# EAGLE board working (EAGLE 9.6.2), part 1 of 28 (continued)
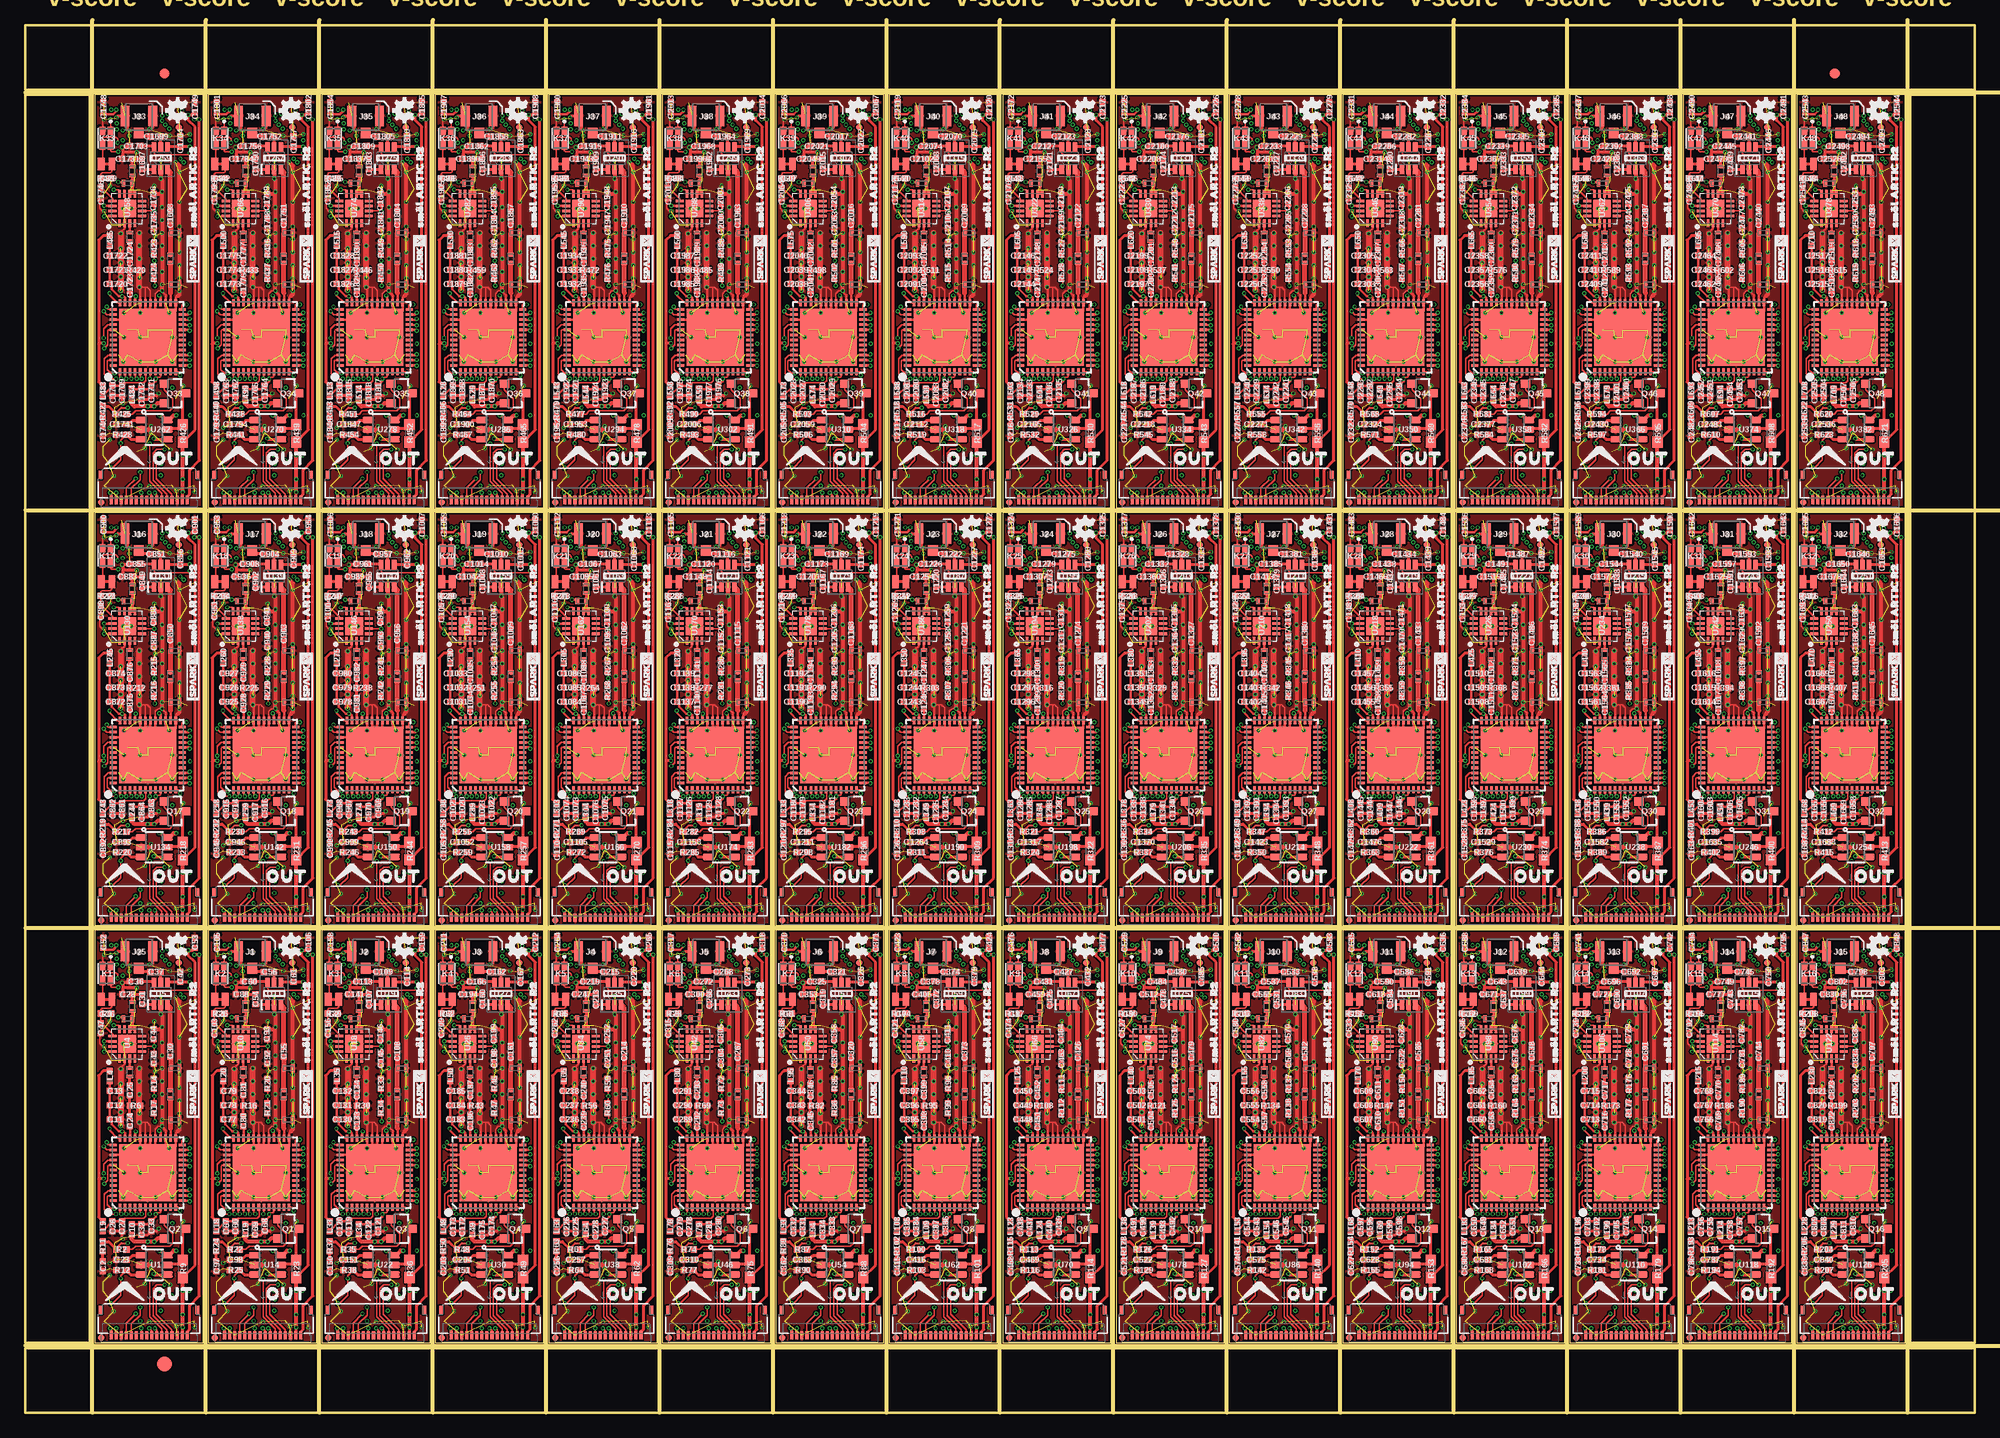
[diagram p0: board, top side]
## Placement (x,y rotation side) (continued)
C107  100pF  [0402-TIGHT]  33.85,40.7 90 top
C108  100pF  [0402-TIGHT]  36.64,35.56 270 top
C109  100pF  [0402-TIGHT]  35.18,43.43 0 top
C110  1.0uF  [0402-TIGHT]  30.61,16.7 180 bottom
C111  1.0uF  [0402-TIGHT]  30.54,12.89 0 bottom
C112  2.2uF  [0402-TIGHT]  30.61,9.02 0 bottom
C113  100pF  [0402-TIGHT]  33.15,42.48 180 top
C114  100pF  [0402-TIGHT]  37.59,42.93 90 top
C115  22pF  [0402-TIGHT]  38.29,28 90 bottom
C116  0.1uF  [0402-TIGHT]  36.58,28.38 90 bottom
C117  22pF  [0402-TIGHT]  35.94,24.83 270 bottom
C118  0.1uF  [0402-TIGHT]  36.89,24.83 270 bottom
C119  22pF  [0402-TIGHT]  31.88,18.35 270 top
C120  0.1uF  [0402-TIGHT]  30.92,18.35 270 top
C121  22pF  [0402-TIGHT]  34.73,18.35 270 top
C122  0.1uF  [0402-TIGHT]  33.78,18.03 270 top
C123  22pF  [0402-TIGHT]  32.77,26.86 180 bottom
C124  0.1uF  [0402-TIGHT]  30.67,27.3 0 bottom
C125  22pF  [0402-TIGHT]  31.5,22.42 270 bottom
C126  0.1uF  [0402-TIGHT]  32.45,22.42 270 bottom
C127  1.0uF  [0402-TIGHT]  34.42,24.83 270 bottom
C128  47nF  [0402-TIGHT]  33.46,24.83 270 bottom
C129  1.0nF  [0402-TIGHT]  30.04,24.98 90 bottom
C130  100pF  [0402-TIGHT]  31.18,28.89 0 top
C131  1.0uF  [0402-TIGHT]  31.18,30.29 0 top
C132  10uF  [0402-TIGHT]  31.18,31.69 0 top
C133  100pF  [0402-TIGHT]  32.64,28.7 90 top
C134  100pF  [0402-TIGHT]  32.64,31.75 90 top
C135  100pF  [0402-TIGHT]  30.61,40 180 bottom
C136  100pF  [0402-TIGHT]  30.92,35.18 90 bottom
C137  2.2uF  [0402-TIGHT]  31.88,35.18 90 bottom
C138  22pF  [0402-TIGHT]  32.7,37.59 90 bottom
C139  2.2uF  [0402-TIGHT]  33.66,37.59 90 bottom
C140  2.4 pF  [0402_MURATA]  36.64,31.37 90 top
C141  9.1pF  [0402-TIGHT]  32.38,41.21 0 top
C142  100pF  [0402-TIGHT]  32.64,39.05 180 bottom
C143  2.2uF  [0402-TIGHT]  32.64,40 180 bottom
C144  10uF  [0402-TIGHT]  32.64,40.96 180 bottom
C145  100pF  [0402-TIGHT]  34.99,34.86 90 top
C146  2.2uF  [0402-TIGHT]  34.99,37.27 90 top
C147  22pF  [0402-TIGHT]  37.34,22.42 270 bottom
C148  0.1uF  [0402-TIGHT]  36.39,22.42 270 bottom
C149  2.2uF  [0402-TIGHT]  38.48,9.02 180 bottom
C150  10nF  [0402-TIGHT]  29.97,14.41 270 top
C151  1.0uF  [0402-TIGHT]  31.81,15.05 180 top
C152  2.2uF  [0402-TIGHT]  30.54,11.94 0 bottom
C153  0.1uF  [0402-TIGHT]  32.26,14.61 90 bottom
C154  1.0uF  [0402-TIGHT]  39.24,40.2 90 bottom
C155  0.1uF  [0402-TIGHT]  37.59,17.59 0 bottom
C156  100pF  [0402-TIGHT]  29.78,37.85 90 top
C157  0.1uF  [0402-TIGHT]  32.83,12.38 180 bottom
C158  2.2uF  [0402-TIGHT]  30.04,46.29 90 top
C159  2.2uF  [0402-TIGHT]  39.05,46.29 90 top
C160  100pF  [0402-TIGHT]  45.02,40.7 90 top
C161  100pF  [0402-TIGHT]  47.82,35.56 270 top
C162  100pF  [0402-TIGHT]  46.35,43.43 0 top
C163  1.0uF  [0402-TIGHT]  41.78,16.7 180 bottom
C164  1.0uF  [0402-TIGHT]  41.72,12.89 0 bottom
C165  2.2uF  [0402-TIGHT]  41.78,9.02 0 bottom
C166  100pF  [0402-TIGHT]  44.32,42.48 180 top
C167  100pF  [0402-TIGHT]  48.77,42.93 90 top
C168  22pF  [0402-TIGHT]  49.47,28 90 bottom
C169  0.1uF  [0402-TIGHT]  47.75,28.38 90 bottom
C170  22pF  [0402-TIGHT]  47.12,24.83 270 bottom
C171  0.1uF  [0402-TIGHT]  48.07,24.83 270 bottom
C172  22pF  [0402-TIGHT]  43.05,18.35 270 top
C173  0.1uF  [0402-TIGHT]  42.1,18.35 270 top
C174  22pF  [0402-TIGHT]  45.91,18.35 270 top
C175  0.1uF  [0402-TIGHT]  44.96,18.03 270 top
C176  22pF  [0402-TIGHT]  43.94,26.86 180 bottom
C177  0.1uF  [0402-TIGHT]  41.85,27.3 0 bottom
C178  22pF  [0402-TIGHT]  42.67,22.42 270 bottom
C179  0.1uF  [0402-TIGHT]  43.62,22.42 270 bottom
C180  1.0uF  [0402-TIGHT]  45.59,24.83 270 bottom
C181  47nF  [0402-TIGHT]  44.64,24.83 270 bottom
C182  1.0nF  [0402-TIGHT]  41.21,24.98 90 bottom
C183  100pF  [0402-TIGHT]  42.35,28.89 0 top
C184  1.0uF  [0402-TIGHT]  42.35,30.29 0 top
C185  10uF  [0402-TIGHT]  42.35,31.69 0 top
C186  100pF  [0402-TIGHT]  43.81,28.7 90 top
C187  100pF  [0402-TIGHT]  43.81,31.75 90 top
C188  100pF  [0402-TIGHT]  41.78,40 180 bottom
C189  100pF  [0402-TIGHT]  42.1,35.18 90 bottom
C190  2.2uF  [0402-TIGHT]  43.05,35.18 90 bottom
C191  22pF  [0402-TIGHT]  43.88,37.59 90 bottom
C192  2.2uF  [0402-TIGHT]  44.83,37.59 90 bottom
C193  2.4 pF  [0402_MURATA]  47.82,31.37 90 top
C194  9.1pF  [0402-TIGHT]  43.56,41.21 0 top
C195  100pF  [0402-TIGHT]  43.81,39.05 180 bottom
C196  2.2uF  [0402-TIGHT]  43.81,40 180 bottom
C197  10uF  [0402-TIGHT]  43.81,40.96 180 bottom
C198  100pF  [0402-TIGHT]  46.16,34.86 90 top
C199  2.2uF  [0402-TIGHT]  46.16,37.27 90 top
C200  22pF  [0402-TIGHT]  48.51,22.42 270 bottom
C201  0.1uF  [0402-TIGHT]  47.56,22.42 270 bottom
C202  2.2uF  [0402-TIGHT]  49.66,9.02 180 bottom
C203  10nF  [0402-TIGHT]  41.15,14.41 270 top
C204  1.0uF  [0402-TIGHT]  42.99,15.05 180 top
C205  2.2uF  [0402-TIGHT]  41.72,11.94 0 bottom
C206  0.1uF  [0402-TIGHT]  43.43,14.61 90 bottom
C207  1.0uF  [0402-TIGHT]  50.42,40.2 90 bottom
C208  0.1uF  [0402-TIGHT]  48.77,17.59 0 bottom
C209  100pF  [0402-TIGHT]  40.96,37.85 90 top
C210  0.1uF  [0402-TIGHT]  44.01,12.38 180 bottom
C211  2.2uF  [0402-TIGHT]  41.21,46.29 90 top
C212  2.2uF  [0402-TIGHT]  50.23,46.29 90 top
C213  100pF  [0402-TIGHT]  56.2,40.7 90 top
C214  100pF  [0402-TIGHT]  58.99,35.56 270 top
C215  100pF  [0402-TIGHT]  57.53,43.43 0 top
C216  1.0uF  [0402-TIGHT]  52.96,16.7 180 bottom
C217  1.0uF  [0402-TIGHT]  52.9,12.89 0 bottom
C218  2.2uF  [0402-TIGHT]  52.96,9.02 0 bottom
C219  100pF  [0402-TIGHT]  55.5,42.48 180 top
C220  100pF  [0402-TIGHT]  59.94,42.93 90 top
C221  22pF  [0402-TIGHT]  60.64,28 90 bottom
C222  0.1uF  [0402-TIGHT]  58.93,28.38 90 bottom
C223  22pF  [0402-TIGHT]  58.29,24.83 270 bottom
C224  0.1uF  [0402-TIGHT]  59.25,24.83 270 bottom
C225  22pF  [0402-TIGHT]  54.23,18.35 270 top
C226  0.1uF  [0402-TIGHT]  53.28,18.35 270 top
C227  22pF  [0402-TIGHT]  57.09,18.35 270 top
C228  0.1uF  [0402-TIGHT]  56.13,18.03 270 top
C229  22pF  [0402-TIGHT]  55.12,26.86 180 bottom
C230  0.1uF  [0402-TIGHT]  53.02,27.3 0 bottom
C231  22pF  [0402-TIGHT]  53.85,22.42 270 bottom
C232  0.1uF  [0402-TIGHT]  54.8,22.42 270 bottom
C233  1.0uF  [0402-TIGHT]  56.77,24.83 270 bottom
C234  47nF  [0402-TIGHT]  55.82,24.83 270 bottom
C235  1.0nF  [0402-TIGHT]  52.39,24.98 90 bottom
C236  100pF  [0402-TIGHT]  53.53,28.89 0 top
C237  1.0uF  [0402-TIGHT]  53.53,30.29 0 top
C238  10uF  [0402-TIGHT]  53.53,31.69 0 top
C239  100pF  [0402-TIGHT]  54.99,28.7 90 top
C240  100pF  [0402-TIGHT]  54.99,31.75 90 top
C241  100pF  [0402-TIGHT]  52.96,40 180 bottom
C242  100pF  [0402-TIGHT]  53.28,35.18 90 bottom
C243  2.2uF  [0402-TIGHT]  54.23,35.18 90 bottom
C244  22pF  [0402-TIGHT]  55.05,37.59 90 bottom
C245  2.2uF  [0402-TIGHT]  56.01,37.59 90 bottom
C246  2.4 pF  [0402_MURATA]  58.99,31.37 90 top
C247  9.1pF  [0402-TIGHT]  54.74,41.21 0 top
C248  100pF  [0402-TIGHT]  54.99,39.05 180 bottom
C249  2.2uF  [0402-TIGHT]  54.99,40 180 bottom
C250  10uF  [0402-TIGHT]  54.99,40.96 180 bottom
C251  100pF  [0402-TIGHT]  57.34,34.86 90 top
C252  2.2uF  [0402-TIGHT]  57.34,37.27 90 top
C253  22pF  [0402-TIGHT]  59.69,22.42 270 bottom
C254  0.1uF  [0402-TIGHT]  58.74,22.42 270 bottom
C255  2.2uF  [0402-TIGHT]  60.83,9.02 180 bottom
C256  10nF  [0402-TIGHT]  52.32,14.41 270 top
C257  1.0uF  [0402-TIGHT]  54.17,15.05 180 top
C258  2.2uF  [0402-TIGHT]  52.9,11.94 0 bottom
C259  0.1uF  [0402-TIGHT]  54.61,14.61 90 bottom
C260  1.0uF  [0402-TIGHT]  61.59,40.2 90 bottom
C261  0.1uF  [0402-TIGHT]  59.94,17.59 0 bottom
C262  100pF  [0402-TIGHT]  52.13,37.85 90 top
C263  0.1uF  [0402-TIGHT]  55.18,12.38 180 bottom
C264  2.2uF  [0402-TIGHT]  52.39,46.29 90 top
C265  2.2uF  [0402-TIGHT]  61.4,46.29 90 top
C266  100pF  [0402-TIGHT]  67.37,40.7 90 top
C267  100pF  [0402-TIGHT]  70.17,35.56 270 top
C268  100pF  [0402-TIGHT]  68.71,43.43 0 top
C269  1.0uF  [0402-TIGHT]  64.14,16.7 180 bottom
C270  1.0uF  [0402-TIGHT]  64.07,12.89 0 bottom
C271  2.2uF  [0402-TIGHT]  64.14,9.02 0 bottom
C272  100pF  [0402-TIGHT]  66.67,42.48 180 top
C273  100pF  [0402-TIGHT]  71.12,42.93 90 top
C274  22pF  [0402-TIGHT]  71.82,28 90 bottom
C275  0.1uF  [0402-TIGHT]  70.1,28.38 90 bottom
C276  22pF  [0402-TIGHT]  69.47,24.83 270 bottom
C277  0.1uF  [0402-TIGHT]  70.42,24.83 270 bottom
C278  22pF  [0402-TIGHT]  65.41,18.35 270 top
C279  0.1uF  [0402-TIGHT]  64.45,18.35 270 top
C280  22pF  [0402-TIGHT]  68.26,18.35 270 top
C281  0.1uF  [0402-TIGHT]  67.31,18.03 270 top
C282  22pF  [0402-TIGHT]  66.29,26.86 180 bottom
C283  0.1uF  [0402-TIGHT]  64.2,27.3 0 bottom
C284  22pF  [0402-TIGHT]  65.02,22.42 270 bottom
C285  0.1uF  [0402-TIGHT]  65.98,22.42 270 bottom
C286  1.0uF  [0402-TIGHT]  67.95,24.83 270 bottom
C287  47nF  [0402-TIGHT]  66.99,24.83 270 bottom
C288  1.0nF  [0402-TIGHT]  63.56,24.98 90 bottom
C289  100pF  [0402-TIGHT]  64.71,28.89 0 top
C290  1.0uF  [0402-TIGHT]  64.71,30.29 0 top
C291  10uF  [0402-TIGHT]  64.71,31.69 0 top
C292  100pF  [0402-TIGHT]  66.17,28.7 90 top
C293  100pF  [0402-TIGHT]  66.17,31.75 90 top
C294  100pF  [0402-TIGHT]  64.14,40 180 bottom
C295  100pF  [0402-TIGHT]  64.45,35.18 90 bottom
C296  2.2uF  [0402-TIGHT]  65.41,35.18 90 bottom
C297  22pF  [0402-TIGHT]  66.23,37.59 90 bottom
C298  2.2uF  [0402-TIGHT]  67.18,37.59 90 bottom
C299  2.4 pF  [0402_MURATA]  70.17,31.37 90 top
C300  9.1pF  [0402-TIGHT]  65.91,41.21 0 top
C301  100pF  [0402-TIGHT]  66.17,39.05 180 bottom
C302  2.2uF  [0402-TIGHT]  66.17,40 180 bottom
C303  10uF  [0402-TIGHT]  66.17,40.96 180 bottom
C304  100pF  [0402-TIGHT]  68.52,34.86 90 top
C305  2.2uF  [0402-TIGHT]  68.52,37.27 90 top
C306  22pF  [0402-TIGHT]  70.87,22.42 270 bottom
C307  0.1uF  [0402-TIGHT]  69.91,22.42 270 bottom
C308  2.2uF  [0402-TIGHT]  72.01,9.02 180 bottom
C309  10nF  [0402-TIGHT]  63.5,14.41 270 top
C310  1.0uF  [0402-TIGHT]  65.34,15.05 180 top
C311  2.2uF  [0402-TIGHT]  64.07,11.94 0 bottom
C312  0.1uF  [0402-TIGHT]  65.79,14.61 90 bottom
C313  1.0uF  [0402-TIGHT]  72.77,40.2 90 bottom
C314  0.1uF  [0402-TIGHT]  71.12,17.59 0 bottom
C315  100pF  [0402-TIGHT]  63.31,37.85 90 top
C316  0.1uF  [0402-TIGHT]  66.36,12.38 180 bottom
C317  2.2uF  [0402-TIGHT]  63.56,46.29 90 top
C318  2.2uF  [0402-TIGHT]  72.58,46.29 90 top
C319  100pF  [0402-TIGHT]  78.55,40.7 90 top
C320  100pF  [0402-TIGHT]  81.34,35.56 270 top
C321  100pF  [0402-TIGHT]  79.88,43.43 0 top
C322  1.0uF  [0402-TIGHT]  75.31,16.7 180 bottom
C323  1.0uF  [0402-TIGHT]  75.25,12.89 0 bottom
C324  2.2uF  [0402-TIGHT]  75.31,9.02 0 bottom
C325  100pF  [0402-TIGHT]  77.85,42.48 180 top
C326  100pF  [0402-TIGHT]  82.3,42.93 90 top
C327  22pF  [0402-TIGHT]  82.99,28 90 bottom
C328  0.1uF  [0402-TIGHT]  81.28,28.38 90 bottom
C329  22pF  [0402-TIGHT]  80.65,24.83 270 bottom
C330  0.1uF  [0402-TIGHT]  81.6,24.83 270 bottom
C331  22pF  [0402-TIGHT]  76.58,18.35 270 top
C332  0.1uF  [0402-TIGHT]  75.63,18.35 270 top
C333  22pF  [0402-TIGHT]  79.44,18.35 270 top
C334  0.1uF  [0402-TIGHT]  78.49,18.03 270 top
C335  22pF  [0402-TIGHT]  77.47,26.86 180 bottom
C336  0.1uF  [0402-TIGHT]  75.37,27.3 0 bottom
C337  22pF  [0402-TIGHT]  76.2,22.42 270 bottom
C338  0.1uF  [0402-TIGHT]  77.15,22.42 270 bottom
C339  1.0uF  [0402-TIGHT]  79.12,24.83 270 bottom
C340  47nF  [0402-TIGHT]  78.17,24.83 270 bottom
C341  1.0nF  [0402-TIGHT]  74.74,24.98 90 bottom
C342  100pF  [0402-TIGHT]  75.88,28.89 0 top
C343  1.0uF  [0402-TIGHT]  75.88,30.29 0 top
C344  10uF  [0402-TIGHT]  75.88,31.69 0 top
C345  100pF  [0402-TIGHT]  77.34,28.7 90 top
C346  100pF  [0402-TIGHT]  77.34,31.75 90 top
C347  100pF  [0402-TIGHT]  75.31,40 180 bottom
C348  100pF  [0402-TIGHT]  75.63,35.18 90 bottom
C349  2.2uF  [0402-TIGHT]  76.58,35.18 90 bottom
C350  22pF  [0402-TIGHT]  77.41,37.59 90 bottom
C351  2.2uF  [0402-TIGHT]  78.36,37.59 90 bottom
C352  2.4 pF  [0402_MURATA]  81.34,31.37 90 top
C353  9.1pF  [0402-TIGHT]  77.09,41.21 0 top
C354  100pF  [0402-TIGHT]  77.34,39.05 180 bottom
C355  2.2uF  [0402-TIGHT]  77.34,40 180 bottom
C356  10uF  [0402-TIGHT]  77.34,40.96 180 bottom
C357  100pF  [0402-TIGHT]  79.69,34.86 90 top
C358  2.2uF  [0402-TIGHT]  79.69,37.27 90 top
C359  22pF  [0402-TIGHT]  82.04,22.42 270 bottom
C360  0.1uF  [0402-TIGHT]  81.09,22.42 270 bottom
C361  2.2uF  [0402-TIGHT]  83.19,9.02 180 bottom
C362  10nF  [0402-TIGHT]  74.68,14.41 270 top
C363  1.0uF  [0402-TIGHT]  76.52,15.05 180 top
C364  2.2uF  [0402-TIGHT]  75.25,11.94 0 bottom
C365  0.1uF  [0402-TIGHT]  76.96,14.61 90 bottom
C366  1.0uF  [0402-TIGHT]  83.95,40.2 90 bottom
C367  0.1uF  [0402-TIGHT]  82.3,17.59 0 bottom
C368  100pF  [0402-TIGHT]  74.49,37.85 90 top
C369  0.1uF  [0402-TIGHT]  77.53,12.38 180 bottom
C370  2.2uF  [0402-TIGHT]  74.74,46.29 90 top
C371  2.2uF  [0402-TIGHT]  83.76,46.29 90 top
C372  100pF  [0402-TIGHT]  89.73,40.7 90 top
C373  100pF  [0402-TIGHT]  92.52,35.56 270 top
C374  100pF  [0402-TIGHT]  91.06,43.43 0 top
C375  1.0uF  [0402-TIGHT]  86.49,16.7 180 bottom
C376  1.0uF  [0402-TIGHT]  86.42,12.89 0 bottom
C377  2.2uF  [0402-TIGHT]  86.49,9.02 0 bottom
C378  100pF  [0402-TIGHT]  89.03,42.48 180 top
C379  100pF  [0402-TIGHT]  93.47,42.93 90 top
C380  22pF  [0402-TIGHT]  94.17,28 90 bottom
C381  0.1uF  [0402-TIGHT]  92.46,28.38 90 bottom
C382  22pF  [0402-TIGHT]  91.82,24.83 270 bottom
C383  0.1uF  [0402-TIGHT]  92.77,24.83 270 bottom
C384  22pF  [0402-TIGHT]  87.76,18.35 270 top
C385  0.1uF  [0402-TIGHT]  86.8,18.35 270 top
C386  22pF  [0402-TIGHT]  90.61,18.35 270 top
C387  0.1uF  [0402-TIGHT]  89.66,18.03 270 top
C388  22pF  [0402-TIGHT]  88.65,26.86 180 bottom
C389  0.1uF  [0402-TIGHT]  86.55,27.3 0 bottom
C390  22pF  [0402-TIGHT]  87.38,22.42 270 bottom
C391  0.1uF  [0402-TIGHT]  88.33,22.42 270 bottom
C392  1.0uF  [0402-TIGHT]  90.3,24.83 270 bottom
C393  47nF  [0402-TIGHT]  89.34,24.83 270 bottom
C394  1.0nF  [0402-TIGHT]  85.92,24.98 90 bottom
C395  100pF  [0402-TIGHT]  87.06,28.89 0 top
C396  1.0uF  [0402-TIGHT]  87.06,30.29 0 top
C397  10uF  [0402-TIGHT]  87.06,31.69 0 top
C398  100pF  [0402-TIGHT]  88.52,28.7 90 top
C399  100pF  [0402-TIGHT]  88.52,31.75 90 top
C400  100pF  [0402-TIGHT]  86.49,40 180 bottom
C401  100pF  [0402-TIGHT]  86.8,35.18 90 bottom
C402  2.2uF  [0402-TIGHT]  87.76,35.18 90 bottom
C403  22pF  [0402-TIGHT]  88.58,37.59 90 bottom
C404  2.2uF  [0402-TIGHT]  89.54,37.59 90 bottom
C405  2.4 pF  [0402_MURATA]  92.52,31.37 90 top
C406  9.1pF  [0402-TIGHT]  88.27,41.21 0 top
C407  100pF  [0402-TIGHT]  88.52,39.05 180 bottom
C408  2.2uF  [0402-TIGHT]  88.52,40 180 bottom
C409  10uF  [0402-TIGHT]  88.52,40.96 180 bottom
C410  100pF  [0402-TIGHT]  90.87,34.86 90 top
C411  2.2uF  [0402-TIGHT]  90.87,37.27 90 top
C412  22pF  [0402-TIGHT]  93.22,22.42 270 bottom
C413  0.1uF  [0402-TIGHT]  92.27,22.42 270 bottom
C414  2.2uF  [0402-TIGHT]  94.36,9.02 180 bottom
C415  10nF  [0402-TIGHT]  85.85,14.41 270 top
C416  1.0uF  [0402-TIGHT]  87.69,15.05 180 top
C417  2.2uF  [0402-TIGHT]  86.42,11.94 0 bottom
C418  0.1uF  [0402-TIGHT]  88.14,14.61 90 bottom
C419  1.0uF  [0402-TIGHT]  95.12,40.2 90 bottom
C420  0.1uF  [0402-TIGHT]  93.47,17.59 0 bottom
C421  100pF  [0402-TIGHT]  85.66,37.85 90 top
C422  0.1uF  [0402-TIGHT]  88.71,12.38 180 bottom
C423  2.2uF  [0402-TIGHT]  85.92,46.29 90 top
C424  2.2uF  [0402-TIGHT]  94.93,46.29 90 top
C425  100pF  [0402-TIGHT]  100.9,40.7 90 top
C426  100pF  [0402-TIGHT]  103.7,35.56 270 top
C427  100pF  [0402-TIGHT]  102.23,43.43 0 top
C428  1.0uF  [0402-TIGHT]  97.66,16.7 180 bottom
C429  1.0uF  [0402-TIGHT]  97.6,12.89 0 bottom
C430  2.2uF  [0402-TIGHT]  97.66,9.02 0 bottom
C431  100pF  [0402-TIGHT]  100.2,42.48 180 top
C432  100pF  [0402-TIGHT]  104.65,42.93 90 top
C433  22pF  [0402-TIGHT]  105.35,28 90 bottom
C434  0.1uF  [0402-TIGHT]  103.63,28.38 90 bottom
C435  22pF  [0402-TIGHT]  103,24.83 270 bottom
C436  0.1uF  [0402-TIGHT]  103.95,24.83 270 bottom
C437  22pF  [0402-TIGHT]  98.93,18.35 270 top
C438  0.1uF  [0402-TIGHT]  97.98,18.35 270 top
C439  22pF  [0402-TIGHT]  101.79,18.35 270 top
C440  0.1uF  [0402-TIGHT]  100.84,18.03 270 top
C441  22pF  [0402-TIGHT]  99.82,26.86 180 bottom
C442  0.1uF  [0402-TIGHT]  97.73,27.3 0 bottom
C443  22pF  [0402-TIGHT]  98.55,22.42 270 bottom
C444  0.1uF  [0402-TIGHT]  99.5,22.42 270 bottom
C445  1.0uF  [0402-TIGHT]  101.47,24.83 270 bottom
C446  47nF  [0402-TIGHT]  100.52,24.83 270 bottom
C447  1.0nF  [0402-TIGHT]  97.09,24.98 90 bottom
C448  100pF  [0402-TIGHT]  98.23,28.89 0 top
C449  1.0uF  [0402-TIGHT]  98.23,30.29 0 top
C450  10uF  [0402-TIGHT]  98.23,31.69 0 top
C451  100pF  [0402-TIGHT]  99.7,28.7 90 top
C452  100pF  [0402-TIGHT]  99.7,31.75 90 top
C453  100pF  [0402-TIGHT]  97.66,40 180 bottom
C454  100pF  [0402-TIGHT]  97.98,35.18 90 bottom
C455  2.2uF  [0402-TIGHT]  98.93,35.18 90 bottom
C456  22pF  [0402-TIGHT]  99.76,37.59 90 bottom
C457  2.2uF  [0402-TIGHT]  100.71,37.59 90 bottom
C458  2.4 pF  [0402_MURATA]  103.7,31.37 90 top
C459  9.1pF  [0402-TIGHT]  99.44,41.21 0 top
C460  100pF  [0402-TIGHT]  99.7,39.05 180 bottom
C461  2.2uF  [0402-TIGHT]  99.7,40 180 bottom
C462  10uF  [0402-TIGHT]  99.7,40.96 180 bottom
C463  100pF  [0402-TIGHT]  102.04,34.86 90 top
C464  2.2uF  [0402-TIGHT]  102.04,37.27 90 top
C465  22pF  [0402-TIGHT]  104.39,22.42 270 bottom
C466  0.1uF  [0402-TIGHT]  103.44,22.42 270 bottom
C467  2.2uF  [0402-TIGHT]  105.54,9.02 180 bottom
C468  10nF  [0402-TIGHT]  97.03,14.41 270 top
C469  1.0uF  [0402-TIGHT]  98.87,15.05 180 top
C470  2.2uF  [0402-TIGHT]  97.6,11.94 0 bottom
C471  0.1uF  [0402-TIGHT]  99.31,14.61 90 bottom
C472  1.0uF  [0402-TIGHT]  106.3,40.2 90 bottom
C473  0.1uF  [0402-TIGHT]  104.65,17.59 0 bottom
C474  100pF  [0402-TIGHT]  96.84,37.85 90 top
C475  0.1uF  [0402-TIGHT]  99.89,12.38 180 bottom
C476  2.2uF  [0402-TIGHT]  97.09,46.29 90 top
C477  2.2uF  [0402-TIGHT]  106.11,46.29 90 top
C478  100pF  [0402-TIGHT]  112.08,40.7 90 top
C479  100pF  [0402-TIGHT]  114.87,35.56 270 top
C480  100pF  [0402-TIGHT]  113.41,43.43 0 top
C481  1.0uF  [0402-TIGHT]  108.84,16.7 180 bottom
C482  1.0uF  [0402-TIGHT]  108.78,12.89 0 bottom
C483  2.2uF  [0402-TIGHT]  108.84,9.02 0 bottom
C484  100pF  [0402-TIGHT]  111.38,42.48 180 top
C485  100pF  [0402-TIGHT]  115.82,42.93 90 top
C486  22pF  [0402-TIGHT]  116.52,28 90 bottom
C487  0.1uF  [0402-TIGHT]  114.81,28.38 90 bottom
C488  22pF  [0402-TIGHT]  114.17,24.83 270 bottom
C489  0.1uF  [0402-TIGHT]  115.13,24.83 270 bottom
C490  22pF  [0402-TIGHT]  110.11,18.35 270 top
C491  0.1uF  [0402-TIGHT]  109.16,18.35 270 top
C492  22pF  [0402-TIGHT]  112.97,18.35 270 top
C493  0.1uF  [0402-TIGHT]  112.01,18.03 270 top
C494  22pF  [0402-TIGHT]  111,26.86 180 bottom
C495  0.1uF  [0402-TIGHT]  108.9,27.3 0 bottom
C496  22pF  [0402-TIGHT]  109.73,22.42 270 bottom
C497  0.1uF  [0402-TIGHT]  110.68,22.42 270 bottom
C498  1.0uF  [0402-TIGHT]  112.65,24.83 270 bottom
C499  47nF  [0402-TIGHT]  111.7,24.83 270 bottom
C500  1.0nF  [0402-TIGHT]  108.27,24.98 90 bottom
C501  100pF  [0402-TIGHT]  109.41,28.89 0 top
C502  1.0uF  [0402-TIGHT]  109.41,30.29 0 top
C503  10uF  [0402-TIGHT]  109.41,31.69 0 top
C504  100pF  [0402-TIGHT]  110.87,28.7 90 top
C505  100pF  [0402-TIGHT]  110.87,31.75 90 top
C506  100pF  [0402-TIGHT]  108.84,40 180 bottom
C507  100pF  [0402-TIGHT]  109.16,35.18 90 bottom
C508  2.2uF  [0402-TIGHT]  110.11,35.18 90 bottom
C509  22pF  [0402-TIGHT]  110.93,37.59 90 bottom
C510  2.2uF  [0402-TIGHT]  111.89,37.59 90 bottom
C511  2.4 pF  [0402_MURATA]  114.87,31.37 90 top
C512  9.1pF  [0402-TIGHT]  110.62,41.21 0 top
C513  100pF  [0402-TIGHT]  110.87,39.05 180 bottom
C514  2.2uF  [0402-TIGHT]  110.87,40 180 bottom
C515  10uF  [0402-TIGHT]  110.87,40.96 180 bottom
C516  100pF  [0402-TIGHT]  113.22,34.86 90 top
C517  2.2uF  [0402-TIGHT]  113.22,37.27 90 top
C518  22pF  [0402-TIGHT]  115.57,22.42 270 bottom
C519  0.1uF  [0402-TIGHT]  114.62,22.42 270 bottom
C520  2.2uF  [0402-TIGHT]  116.71,9.02 180 bottom
C521  10nF  [0402-TIGHT]  108.2,14.41 270 top
C522  1.0uF  [0402-TIGHT]  110.05,15.05 180 top
C523  2.2uF  [0402-TIGHT]  108.78,11.94 0 bottom
C524  0.1uF  [0402-TIGHT]  110.49,14.61 90 bottom
C525  1.0uF  [0402-TIGHT]  117.48,40.2 90 bottom
C526  0.1uF  [0402-TIGHT]  115.82,17.59 0 bottom
C527  100pF  [0402-TIGHT]  108.01,37.85 90 top
C528  0.1uF  [0402-TIGHT]  111.06,12.38 180 bottom
C529  2.2uF  [0402-TIGHT]  108.27,46.29 90 top
C530  2.2uF  [0402-TIGHT]  117.28,46.29 90 top
C531  100pF  [0402-TIGHT]  123.25,40.7 90 top
C532  100pF  [0402-TIGHT]  126.05,35.56 270 top
C533  100pF  [0402-TIGHT]  124.59,43.43 0 top
C534  1.0uF  [0402-TIGHT]  120.02,16.7 180 bottom
C535  1.0uF  [0402-TIGHT]  119.95,12.89 0 bottom
C536  2.2uF  [0402-TIGHT]  120.02,9.02 0 bottom
C537  100pF  [0402-TIGHT]  122.56,42.48 180 top
C538  100pF  [0402-TIGHT]  127,42.93 90 top
C539  22pF  [0402-TIGHT]  127.7,28 90 bottom
C540  0.1uF  [0402-TIGHT]  125.98,28.38 90 bottom
C541  22pF  [0402-TIGHT]  125.35,24.83 270 bottom
C542  0.1uF  [0402-TIGHT]  126.3,24.83 270 bottom
C543  22pF  [0402-TIGHT]  121.29,18.35 270 top
C544  0.1uF  [0402-TIGHT]  120.33,18.35 270 top
C545  22pF  [0402-TIGHT]  124.14,18.35 270 top
C546  0.1uF  [0402-TIGHT]  123.19,18.03 270 top
C547  22pF  [0402-TIGHT]  122.17,26.86 180 bottom
C548  0.1uF  [0402-TIGHT]  120.08,27.3 0 bottom
C549  22pF  [0402-TIGHT]  120.9,22.42 270 bottom
C550  0.1uF  [0402-TIGHT]  121.86,22.42 270 bottom
C551  1.0uF  [0402-TIGHT]  123.83,24.83 270 bottom
C552  47nF  [0402-TIGHT]  122.87,24.83 270 bottom
C553  1.0nF  [0402-TIGHT]  119.44,24.98 90 bottom
C554  100pF  [0402-TIGHT]  120.59,28.89 0 top
C555  1.0uF  [0402-TIGHT]  120.59,30.29 0 top
C556  10uF  [0402-TIGHT]  120.59,31.69 0 top
C557  100pF  [0402-TIGHT]  122.05,28.7 90 top
C558  100pF  [0402-TIGHT]  122.05,31.75 90 top
C559  100pF  [0402-TIGHT]  120.02,40 180 bottom
C560  100pF  [0402-TIGHT]  120.33,35.18 90 bottom
C561  2.2uF  [0402-TIGHT]  121.29,35.18 90 bottom
C562  22pF  [0402-TIGHT]  122.11,37.59 90 bottom
C563  2.2uF  [0402-TIGHT]  123.06,37.59 90 bottom
C564  2.4 pF  [0402_MURATA]  126.05,31.37 90 top
C565  9.1pF  [0402-TIGHT]  121.79,41.21 0 top
C566  100pF  [0402-TIGHT]  122.05,39.05 180 bottom
C567  2.2uF  [0402-TIGHT]  122.05,40 180 bottom
C568  10uF  [0402-TIGHT]  122.05,40.96 180 bottom
C569  100pF  [0402-TIGHT]  124.4,34.86 90 top
C570  2.2uF  [0402-TIGHT]  124.4,37.27 90 top
C571  22pF  [0402-TIGHT]  126.75,22.42 270 bottom
C572  0.1uF  [0402-TIGHT]  125.79,22.42 270 bottom
C573  2.2uF  [0402-TIGHT]  127.89,9.02 180 bottom
C574  10nF  [0402-TIGHT]  119.38,14.41 270 top
C575  1.0uF  [0402-TIGHT]  121.22,15.05 180 top
C576  2.2uF  [0402-TIGHT]  119.95,11.94 0 bottom
C577  0.1uF  [0402-TIGHT]  121.67,14.61 90 bottom
C578  1.0uF  [0402-TIGHT]  128.65,40.2 90 bottom
C579  0.1uF  [0402-TIGHT]  127,17.59 0 bottom
C580  100pF  [0402-TIGHT]  119.19,37.85 90 top
C581  0.1uF  [0402-TIGHT]  122.24,12.38 180 bottom
C582  2.2uF  [0402-TIGHT]  119.44,46.29 90 top
C583  2.2uF  [0402-TIGHT]  128.46,46.29 90 top
C584  100pF  [0402-TIGHT]  134.43,40.7 90 top
C585  100pF  [0402-TIGHT]  137.22,35.56 270 top
C586  100pF  [0402-TIGHT]  135.76,43.43 0 top
C587  1.0uF  [0402-TIGHT]  131.19,16.7 180 bottom
C588  1.0uF  [0402-TIGHT]  131.13,12.89 0 bottom
C589  2.2uF  [0402-TIGHT]  131.19,9.02 0 bottom
C590  100pF  [0402-TIGHT]  133.73,42.48 180 top
C591  100pF  [0402-TIGHT]  138.18,42.93 90 top
C592  22pF  [0402-TIGHT]  138.87,28 90 bottom
C593  0.1uF  [0402-TIGHT]  137.16,28.38 90 bottom
C594  22pF  [0402-TIGHT]  136.53,24.83 270 bottom
C595  0.1uF  [0402-TIGHT]  137.48,24.83 270 bottom
C596  22pF  [0402-TIGHT]  132.46,18.35 270 top
C597  0.1uF  [0402-TIGHT]  131.51,18.35 270 top
C598  22pF  [0402-TIGHT]  135.32,18.35 270 top
C599  0.1uF  [0402-TIGHT]  134.37,18.03 270 top
C600  22pF  [0402-TIGHT]  133.35,26.86 180 bottom
C601  0.1uF  [0402-TIGHT]  131.25,27.3 0 bottom
C602  22pF  [0402-TIGHT]  132.08,22.42 270 bottom
C603  0.1uF  [0402-TIGHT]  133.03,22.42 270 bottom
C604  1.0uF  [0402-TIGHT]  135,24.83 270 bottom
C605  47nF  [0402-TIGHT]  134.05,24.83 270 bottom
C606  1.0nF  [0402-TIGHT]  130.62,24.98 90 bottom
C607  100pF  [0402-TIGHT]  131.76,28.89 0 top
C608  1.0uF  [0402-TIGHT]  131.76,30.29 0 top
C609  10uF  [0402-TIGHT]  131.76,31.69 0 top
C610  100pF  [0402-TIGHT]  133.22,28.7 90 top
C611  100pF  [0402-TIGHT]  133.22,31.75 90 top
C612  100pF  [0402-TIGHT]  131.19,40 180 bottom
C613  100pF  [0402-TIGHT]  131.51,35.18 90 bottom
C614  2.2uF  [0402-TIGHT]  132.46,35.18 90 bottom
C615  22pF  [0402-TIGHT]  133.29,37.59 90 bottom
C616  2.2uF  [0402-TIGHT]  134.24,37.59 90 bottom
C617  2.4 pF  [0402_MURATA]  137.22,31.37 90 top
C618  9.1pF  [0402-TIGHT]  132.97,41.21 0 top
C619  100pF  [0402-TIGHT]  133.22,39.05 180 bottom
C620  2.2uF  [0402-TIGHT]  133.22,40 180 bottom
C621  10uF  [0402-TIGHT]  133.22,40.96 180 bottom
C622  100pF  [0402-TIGHT]  135.57,34.86 90 top
C623  2.2uF  [0402-TIGHT]  135.57,37.27 90 top
C624  22pF  [0402-TIGHT]  137.92,22.42 270 bottom
C625  0.1uF  [0402-TIGHT]  136.97,22.42 270 bottom
C626  2.2uF  [0402-TIGHT]  139.06,9.02 180 bottom
C627  10nF  [0402-TIGHT]  130.56,14.41 270 top
C628  1.0uF  [0402-TIGHT]  132.4,15.05 180 top
C629  2.2uF  [0402-TIGHT]  131.13,11.94 0 bottom
C630  0.1uF  [0402-TIGHT]  132.84,14.61 90 bottom
C631  1.0uF  [0402-TIGHT]  139.83,40.2 90 bottom
C632  0.1uF  [0402-TIGHT]  138.18,17.59 0 bottom
C633  100pF  [0402-TIGHT]  130.37,37.85 90 top
C634  0.1uF  [0402-TIGHT]  133.41,12.38 180 bottom
C635  2.2uF  [0402-TIGHT]  130.62,46.29 90 top
C636  2.2uF  [0402-TIGHT]  139.64,46.29 90 top
C637  100pF  [0402-TIGHT]  145.61,40.7 90 top
C638  100pF  [0402-TIGHT]  148.4,35.56 270 top
C639  100pF  [0402-TIGHT]  146.94,43.43 0 top
C640  1.0uF  [0402-TIGHT]  142.37,16.7 180 bottom
C641  1.0uF  [0402-TIGHT]  142.3,12.89 0 bottom
C642  2.2uF  [0402-TIGHT]  142.37,9.02 0 bottom
C643  100pF  [0402-TIGHT]  144.91,42.48 180 top
C644  100pF  [0402-TIGHT]  149.35,42.93 90 top
C645  22pF  [0402-TIGHT]  150.05,28 90 bottom
C646  0.1uF  [0402-TIGHT]  148.34,28.38 90 bottom
C647  22pF  [0402-TIGHT]  147.7,24.83 270 bottom
C648  0.1uF  [0402-TIGHT]  148.65,24.83 270 bottom
C649  22pF  [0402-TIGHT]  143.64,18.35 270 top
C650  0.1uF  [0402-TIGHT]  142.68,18.35 270 top
C651  22pF  [0402-TIGHT]  146.49,18.35 270 top
C652  0.1uF  [0402-TIGHT]  145.54,18.03 270 top
C653  22pF  [0402-TIGHT]  144.53,26.86 180 bottom
C654  0.1uF  [0402-TIGHT]  142.43,27.3 0 bottom
C655  22pF  [0402-TIGHT]  143.26,22.42 270 bottom
C656  0.1uF  [0402-TIGHT]  144.21,22.42 270 bottom
C657  1.0uF  [0402-TIGHT]  146.18,24.83 270 bottom
C658  47nF  [0402-TIGHT]  145.22,24.83 270 bottom
C659  1.0nF  [0402-TIGHT]  141.8,24.98 90 bottom
C660  100pF  [0402-TIGHT]  142.94,28.89 0 top
C661  1.0uF  [0402-TIGHT]  142.94,30.29 0 top
C662  10uF  [0402-TIGHT]  142.94,31.69 0 top
C663  100pF  [0402-TIGHT]  144.4,28.7 90 top
C664  100pF  [0402-TIGHT]  144.4,31.75 90 top
C665  100pF  [0402-TIGHT]  142.37,40 180 bottom
C666  100pF  [0402-TIGHT]  142.68,35.18 90 bottom
C667  2.2uF  [0402-TIGHT]  143.64,35.18 90 bottom
C668  22pF  [0402-TIGHT]  144.46,37.59 90 bottom
C669  2.2uF  [0402-TIGHT]  145.41,37.59 90 bottom
C670  2.4 pF  [0402_MURATA]  148.4,31.37 90 top
C671  9.1pF  [0402-TIGHT]  144.15,41.21 0 top
C672  100pF  [0402-TIGHT]  144.4,39.05 180 bottom
C673  2.2uF  [0402-TIGHT]  144.4,40 180 bottom
C674  10uF  [0402-TIGHT]  144.4,40.96 180 bottom
C675  100pF  [0402-TIGHT]  146.75,34.86 90 top
C676  2.2uF  [0402-TIGHT]  146.75,37.27 90 top
C677  22pF  [0402-TIGHT]  149.1,22.42 270 bottom
C678  0.1uF  [0402-TIGHT]  148.15,22.42 270 bottom
C679  2.2uF  [0402-TIGHT]  150.24,9.02 180 bottom
C680  10nF  [0402-TIGHT]  141.73,14.41 270 top
C681  1.0uF  [0402-TIGHT]  143.57,15.05 180 top
C682  2.2uF  [0402-TIGHT]  142.3,11.94 0 bottom
C683  0.1uF  [0402-TIGHT]  144.02,14.61 90 bottom
C684  1.0uF  [0402-TIGHT]  151,40.2 90 bottom
C685  0.1uF  [0402-TIGHT]  149.35,17.59 0 bottom
C686  100pF  [0402-TIGHT]  141.54,37.85 90 top
C687  0.1uF  [0402-TIGHT]  144.59,12.38 180 bottom
C688  2.2uF  [0402-TIGHT]  141.8,46.29 90 top
C689  2.2uF  [0402-TIGHT]  150.81,46.29 90 top
C690  100pF  [0402-TIGHT]  156.78,40.7 90 top
C691  100pF  [0402-TIGHT]  159.58,35.56 270 top
C692  100pF  [0402-TIGHT]  158.12,43.43 0 top
C693  1.0uF  [0402-TIGHT]  153.54,16.7 180 bottom
C694  1.0uF  [0402-TIGHT]  153.48,12.89 0 bottom
C695  2.2uF  [0402-TIGHT]  153.54,9.02 0 bottom
C696  100pF  [0402-TIGHT]  156.08,42.48 180 top
C697  100pF  [0402-TIGHT]  160.53,42.93 90 top
C698  22pF  [0402-TIGHT]  161.23,28 90 bottom
C699  0.1uF  [0402-TIGHT]  159.51,28.38 90 bottom
C700  22pF  [0402-TIGHT]  158.88,24.83 270 bottom
C701  0.1uF  [0402-TIGHT]  159.83,24.83 270 bottom
C702  22pF  [0402-TIGHT]  154.81,18.35 270 top
C703  0.1uF  [0402-TIGHT]  153.86,18.35 270 top
C704  22pF  [0402-TIGHT]  157.67,18.35 270 top
C705  0.1uF  [0402-TIGHT]  156.72,18.03 270 top
C706  22pF  [0402-TIGHT]  155.7,26.86 180 bottom
C707  0.1uF  [0402-TIGHT]  153.61,27.3 0 bottom
C708  22pF  [0402-TIGHT]  154.43,22.42 270 bottom
C709  0.1uF  [0402-TIGHT]  155.38,22.42 270 bottom
C710  1.0uF  [0402-TIGHT]  157.35,24.83 270 bottom
C711  47nF  [0402-TIGHT]  156.4,24.83 270 bottom
C712  1.0nF  [0402-TIGHT]  152.97,24.98 90 bottom
C713  100pF  [0402-TIGHT]  154.11,28.89 0 top
C714  1.0uF  [0402-TIGHT]  154.11,30.29 0 top
C715  10uF  [0402-TIGHT]  154.11,31.69 0 top
C716  100pF  [0402-TIGHT]  155.58,28.7 90 top
C717  100pF  [0402-TIGHT]  155.58,31.75 90 top
C718  100pF  [0402-TIGHT]  153.54,40 180 bottom
C719  100pF  [0402-TIGHT]  153.86,35.18 90 bottom
C720  2.2uF  [0402-TIGHT]  154.81,35.18 90 bottom
C721  22pF  [0402-TIGHT]  155.64,37.59 90 bottom
C722  2.2uF  [0402-TIGHT]  156.59,37.59 90 bottom
C723  2.4 pF  [0402_MURATA]  159.58,31.37 90 top
C724  9.1pF  [0402-TIGHT]  155.32,41.21 0 top
C725  100pF  [0402-TIGHT]  155.58,39.05 180 bottom
C726  2.2uF  [0402-TIGHT]  155.58,40 180 bottom
C727  10uF  [0402-TIGHT]  155.58,40.96 180 bottom
C728  100pF  [0402-TIGHT]  157.92,34.86 90 top
C729  2.2uF  [0402-TIGHT]  157.92,37.27 90 top
C730  22pF  [0402-TIGHT]  160.27,22.42 270 bottom
C731  0.1uF  [0402-TIGHT]  159.32,22.42 270 bottom
C732  2.2uF  [0402-TIGHT]  161.42,9.02 180 bottom
C733  10nF  [0402-TIGHT]  152.91,14.41 270 top
C734  1.0uF  [0402-TIGHT]  154.75,15.05 180 top
C735  2.2uF  [0402-TIGHT]  153.48,11.94 0 bottom
C736  0.1uF  [0402-TIGHT]  155.19,14.61 90 bottom
C737  1.0uF  [0402-TIGHT]  162.18,40.2 90 bottom
C738  0.1uF  [0402-TIGHT]  160.53,17.59 0 bottom
C739  100pF  [0402-TIGHT]  152.72,37.85 90 top
C740  0.1uF  [0402-TIGHT]  155.77,12.38 180 bottom
C741  2.2uF  [0402-TIGHT]  152.97,46.29 90 top
C742  2.2uF  [0402-TIGHT]  161.99,46.29 90 top
C743  100pF  [0402-TIGHT]  167.96,40.7 90 top
C744  100pF  [0402-TIGHT]  170.75,35.56 270 top
C745  100pF  [0402-TIGHT]  169.29,43.43 0 top
C746  1.0uF  [0402-TIGHT]  164.72,16.7 180 bottom
C747  1.0uF  [0402-TIGHT]  164.66,12.89 0 bottom
C748  2.2uF  [0402-TIGHT]  164.72,9.02 0 bottom
C749  100pF  [0402-TIGHT]  167.26,42.48 180 top
C750  100pF  [0402-TIGHT]  171.7,42.93 90 top
C751  22pF  [0402-TIGHT]  172.4,28 90 bottom
C752  0.1uF  [0402-TIGHT]  170.69,28.38 90 bottom
C753  22pF  [0402-TIGHT]  170.05,24.83 270 bottom
C754  0.1uF  [0402-TIGHT]  171.01,24.83 270 bottom
C755  22pF  [0402-TIGHT]  165.99,18.35 270 top
C756  0.1uF  [0402-TIGHT]  165.04,18.35 270 top
C757  22pF  [0402-TIGHT]  168.85,18.35 270 top
C758  0.1uF  [0402-TIGHT]  167.89,18.03 270 top
C759  22pF  [0402-TIGHT]  166.88,26.86 180 bottom
C760  0.1uF  [0402-TIGHT]  164.78,27.3 0 bottom
C761  22pF  [0402-TIGHT]  165.61,22.42 270 bottom
C762  0.1uF  [0402-TIGHT]  166.56,22.42 270 bottom
C763  1.0uF  [0402-TIGHT]  168.53,24.83 270 bottom
C764  47nF  [0402-TIGHT]  167.58,24.83 270 bottom
C765  1.0nF  [0402-TIGHT]  164.15,24.98 90 bottom
C766  100pF  [0402-TIGHT]  165.29,28.89 0 top
C767  1.0uF  [0402-TIGHT]  165.29,30.29 0 top
C768  10uF  [0402-TIGHT]  165.29,31.69 0 top
C769  100pF  [0402-TIGHT]  166.75,28.7 90 top
C770  100pF  [0402-TIGHT]  166.75,31.75 90 top
C771  100pF  [0402-TIGHT]  164.72,40 180 bottom
C772  100pF  [0402-TIGHT]  165.04,35.18 90 bottom
C773  2.2uF  [0402-TIGHT]  165.99,35.18 90 bottom
C774  22pF  [0402-TIGHT]  166.81,37.59 90 bottom
C775  2.2uF  [0402-TIGHT]  167.77,37.59 90 bottom
C776  2.4 pF  [0402_MURATA]  170.75,31.37 90 top
C777  9.1pF  [0402-TIGHT]  166.5,41.21 0 top
C778  100pF  [0402-TIGHT]  166.75,39.05 180 bottom
C779  2.2uF  [0402-TIGHT]  166.75,40 180 bottom
C780  10uF  [0402-TIGHT]  166.75,40.96 180 bottom
C781  100pF  [0402-TIGHT]  169.1,34.86 90 top
C782  2.2uF  [0402-TIGHT]  169.1,37.27 90 top
C783  22pF  [0402-TIGHT]  171.45,22.42 270 bottom
C784  0.1uF  [0402-TIGHT]  170.5,22.42 270 bottom
C785  2.2uF  [0402-TIGHT]  172.59,9.02 180 bottom
C786  10nF  [0402-TIGHT]  164.08,14.41 270 top
C787  1.0uF  [0402-TIGHT]  165.93,15.05 180 top
C788  2.2uF  [0402-TIGHT]  164.66,11.94 0 bottom
C789  0.1uF  [0402-TIGHT]  166.37,14.61 90 bottom
C790  1.0uF  [0402-TIGHT]  173.36,40.2 90 bottom
C791  0.1uF  [0402-TIGHT]  171.7,17.59 0 bottom
C792  100pF  [0402-TIGHT]  163.89,37.85 90 top
C793  0.1uF  [0402-TIGHT]  166.94,12.38 180 bottom
C794  2.2uF  [0402-TIGHT]  164.15,46.29 90 top
C795  2.2uF  [0402-TIGHT]  173.16,46.29 90 top
C796  100pF  [0402-TIGHT]  179.13,40.7 90 top
C797  100pF  [0402-TIGHT]  181.93,35.56 270 top
C798  100pF  [0402-TIGHT]  180.47,43.43 0 top
C799  1.0uF  [0402-TIGHT]  175.9,16.7 180 bottom
C800  1.0uF  [0402-TIGHT]  175.83,12.89 0 bottom
C801  2.2uF  [0402-TIGHT]  175.9,9.02 0 bottom
C802  100pF  [0402-TIGHT]  178.44,42.48 180 top
C803  100pF  [0402-TIGHT]  182.88,42.93 90 top
C804  22pF  [0402-TIGHT]  183.58,28 90 bottom
C805  0.1uF  [0402-TIGHT]  181.86,28.38 90 bottom
C806  22pF  [0402-TIGHT]  181.23,24.83 270 bottom
C807  0.1uF  [0402-TIGHT]  182.18,24.83 270 bottom
C808  22pF  [0402-TIGHT]  177.16,18.35 270 top
C809  0.1uF  [0402-TIGHT]  176.21,18.35 270 top
C810  22pF  [0402-TIGHT]  180.02,18.35 270 top
C811  0.1uF  [0402-TIGHT]  179.07,18.03 270 top
C812  22pF  [0402-TIGHT]  178.05,26.86 180 bottom
C813  0.1uF  [0402-TIGHT]  175.96,27.3 0 bottom
C814  22pF  [0402-TIGHT]  176.78,22.42 270 bottom
C815  0.1uF  [0402-TIGHT]  177.74,22.42 270 bottom
C816  1.0uF  [0402-TIGHT]  179.71,24.83 270 bottom
C817  47nF  [0402-TIGHT]  178.75,24.83 270 bottom
C818  1.0nF  [0402-TIGHT]  175.32,24.98 90 bottom
C819  100pF  [0402-TIGHT]  176.47,28.89 0 top
C820  1.0uF  [0402-TIGHT]  176.47,30.29 0 top
C821  10uF  [0402-TIGHT]  176.47,31.69 0 top
C822  100pF  [0402-TIGHT]  177.93,28.7 90 top
C823  100pF  [0402-TIGHT]  177.93,31.75 90 top
C824  100pF  [0402-TIGHT]  175.9,40 180 bottom
C825  100pF  [0402-TIGHT]  176.21,35.18 90 bottom
C826  2.2uF  [0402-TIGHT]  177.16,35.18 90 bottom
C827  22pF  [0402-TIGHT]  177.99,37.59 90 bottom
C828  2.2uF  [0402-TIGHT]  178.94,37.59 90 bottom
C829  2.4 pF  [0402_MURATA]  181.93,31.37 90 top
C830  9.1pF  [0402-TIGHT]  177.67,41.21 0 top
C831  100pF  [0402-TIGHT]  177.93,39.05 180 bottom
C832  2.2uF  [0402-TIGHT]  177.93,40 180 bottom
C833  10uF  [0402-TIGHT]  177.93,40.96 180 bottom
C834  100pF  [0402-TIGHT]  180.28,34.86 90 top
C835  2.2uF  [0402-TIGHT]  180.28,37.27 90 top
C836  22pF  [0402-TIGHT]  182.63,22.42 270 bottom
C837  0.1uF  [0402-TIGHT]  181.67,22.42 270 bottom
C838  2.2uF  [0402-TIGHT]  183.77,9.02 180 bottom
C839  10nF  [0402-TIGHT]  175.26,14.41 270 top
C840  1.0uF  [0402-TIGHT]  177.1,15.05 180 top
C841  2.2uF  [0402-TIGHT]  175.83,11.94 0 bottom
C842  0.1uF  [0402-TIGHT]  177.55,14.61 90 bottom
C843  1.0uF  [0402-TIGHT]  184.53,40.2 90 bottom
C844  0.1uF  [0402-TIGHT]  182.88,17.59 0 bottom
C845  100pF  [0402-TIGHT]  175.07,37.85 90 top
C846  0.1uF  [0402-TIGHT]  178.12,12.38 180 bottom
C847  2.2uF  [0402-TIGHT]  175.32,46.29 90 top
C848  2.2uF  [0402-TIGHT]  184.34,46.29 90 top
C849  100pF  [0402-TIGHT]  11.49,81.85 90 top
C850  100pF  [0402-TIGHT]  14.29,76.71 270 top
C851  100pF  [0402-TIGHT]  12.83,84.58 0 top
C852  1.0uF  [0402-TIGHT]  8.25,57.85 180 bottom
C853  1.0uF  [0402-TIGHT]  8.19,54.04 0 bottom
C854  2.2uF  [0402-TIGHT]  8.25,50.16 0 bottom
C855  100pF  [0402-TIGHT]  10.79,83.63 180 top